# Altium PCB P-MT3620RDB-1-0.PcbDoc (part 1 of 4)
Units mm, origin at the board's own origin, x right, y up, seen from the top; angles counter-clockwise.
Board outline 50 x 85 mm, 4 copper layers (Component Side, Ground Plane, Power Plane, Solder Side), stack 1.63 mm thick; 246 components, 200 nets, 869 pads, 812 vias.
Unrouted connection lines stored in the file: 1.
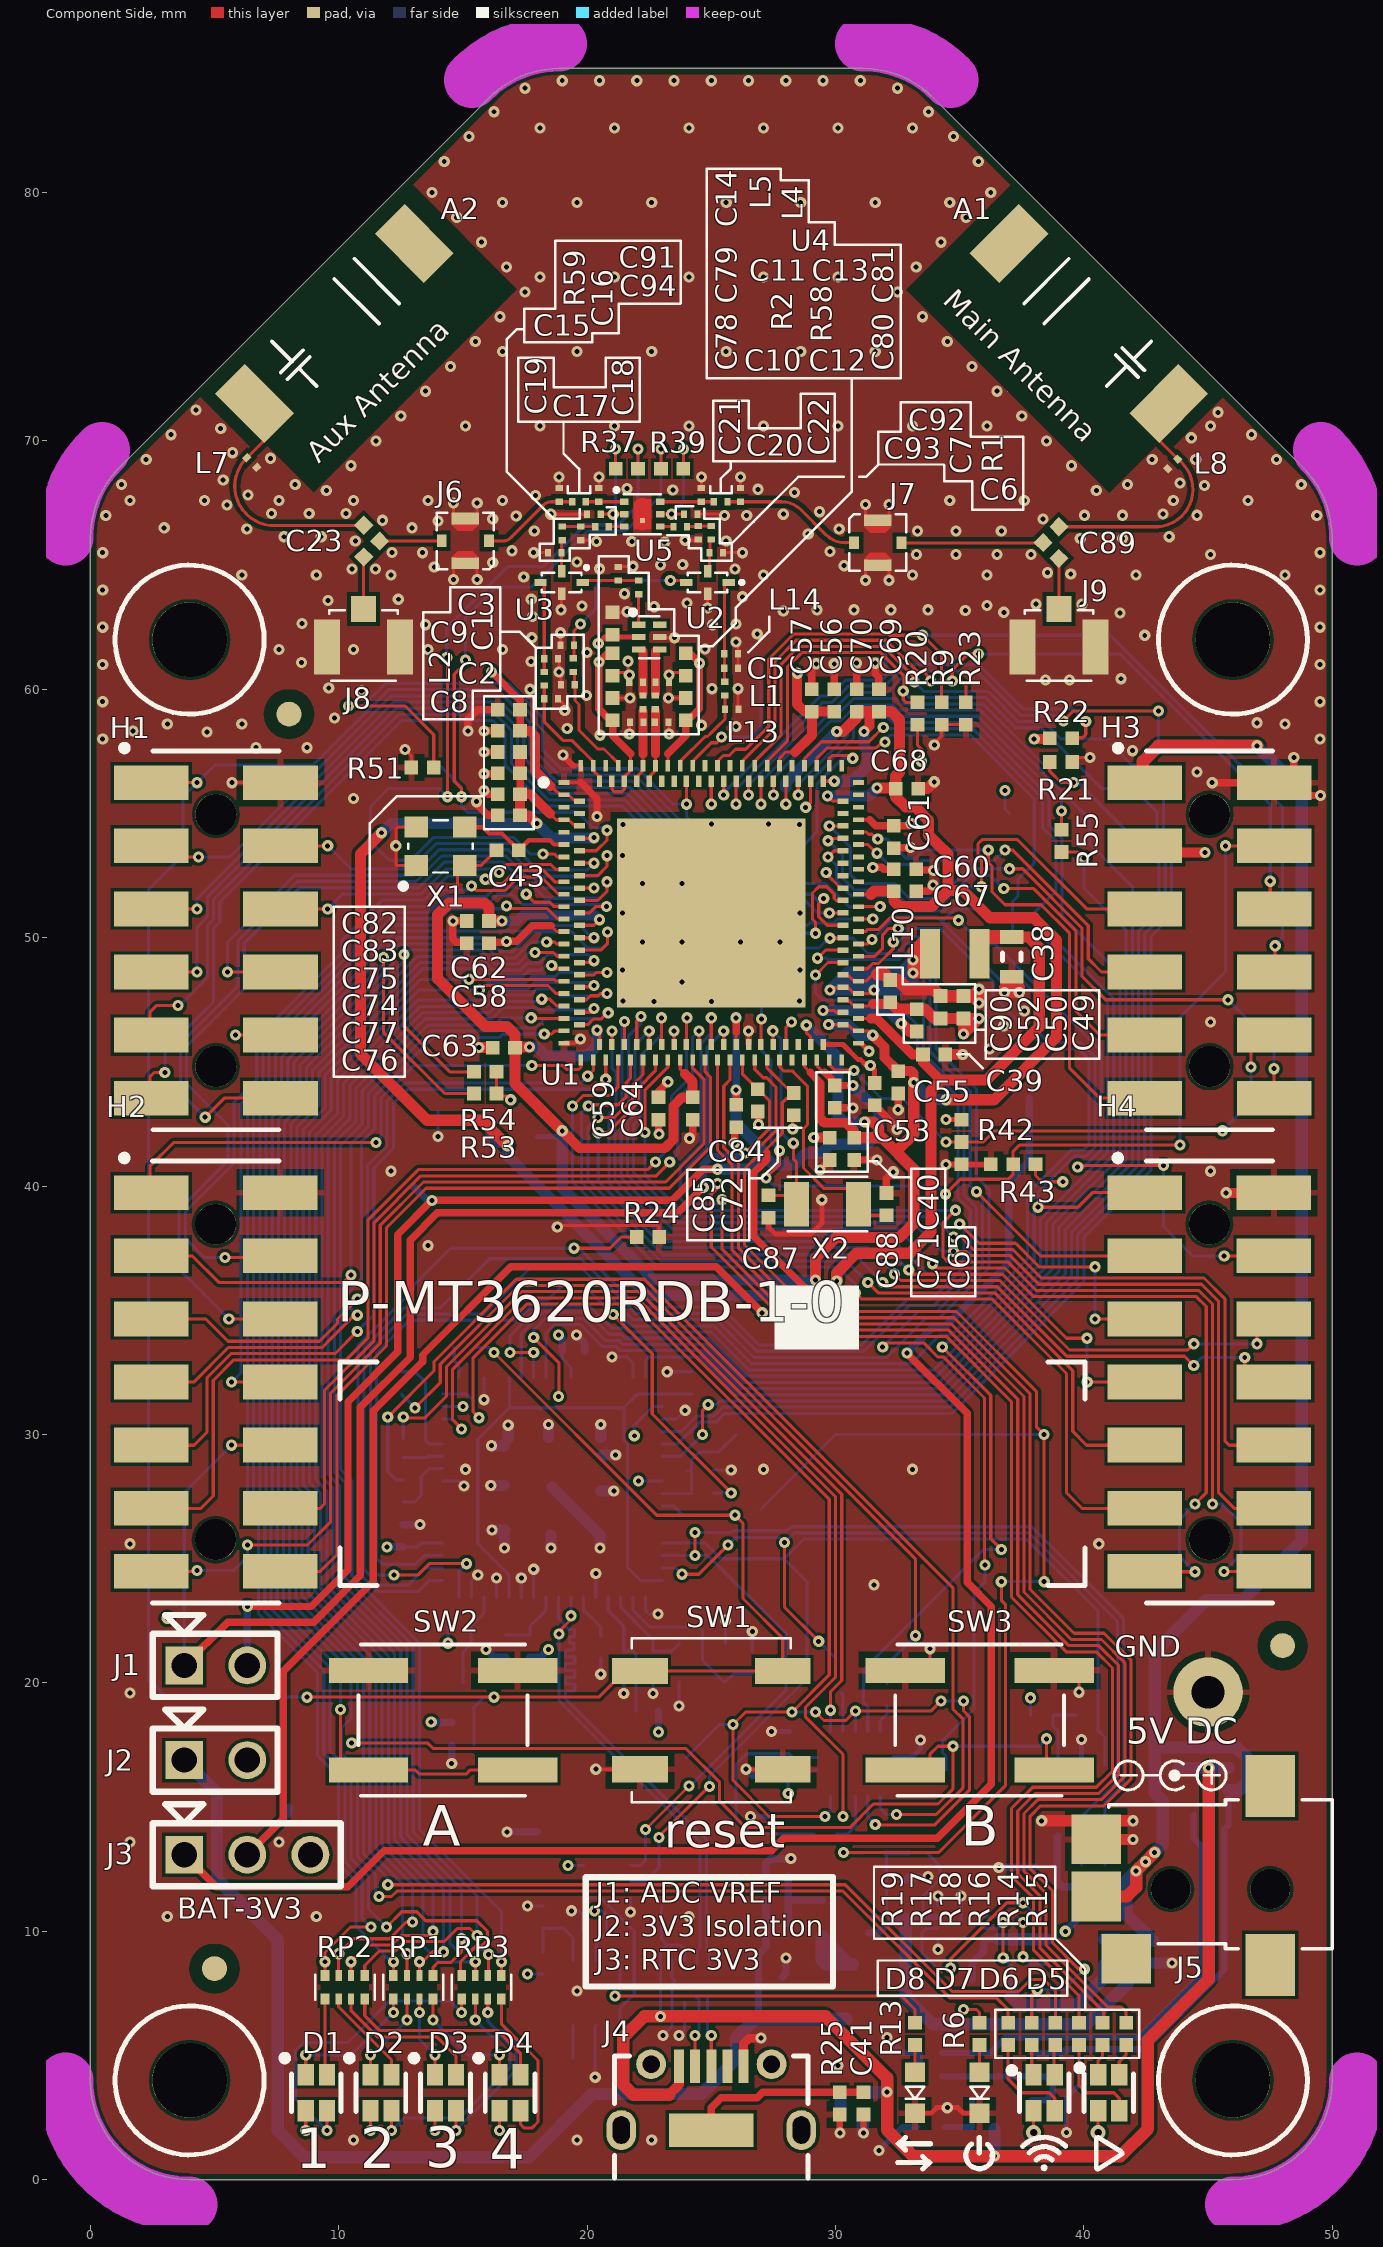
[diagram p0: Component Side view]
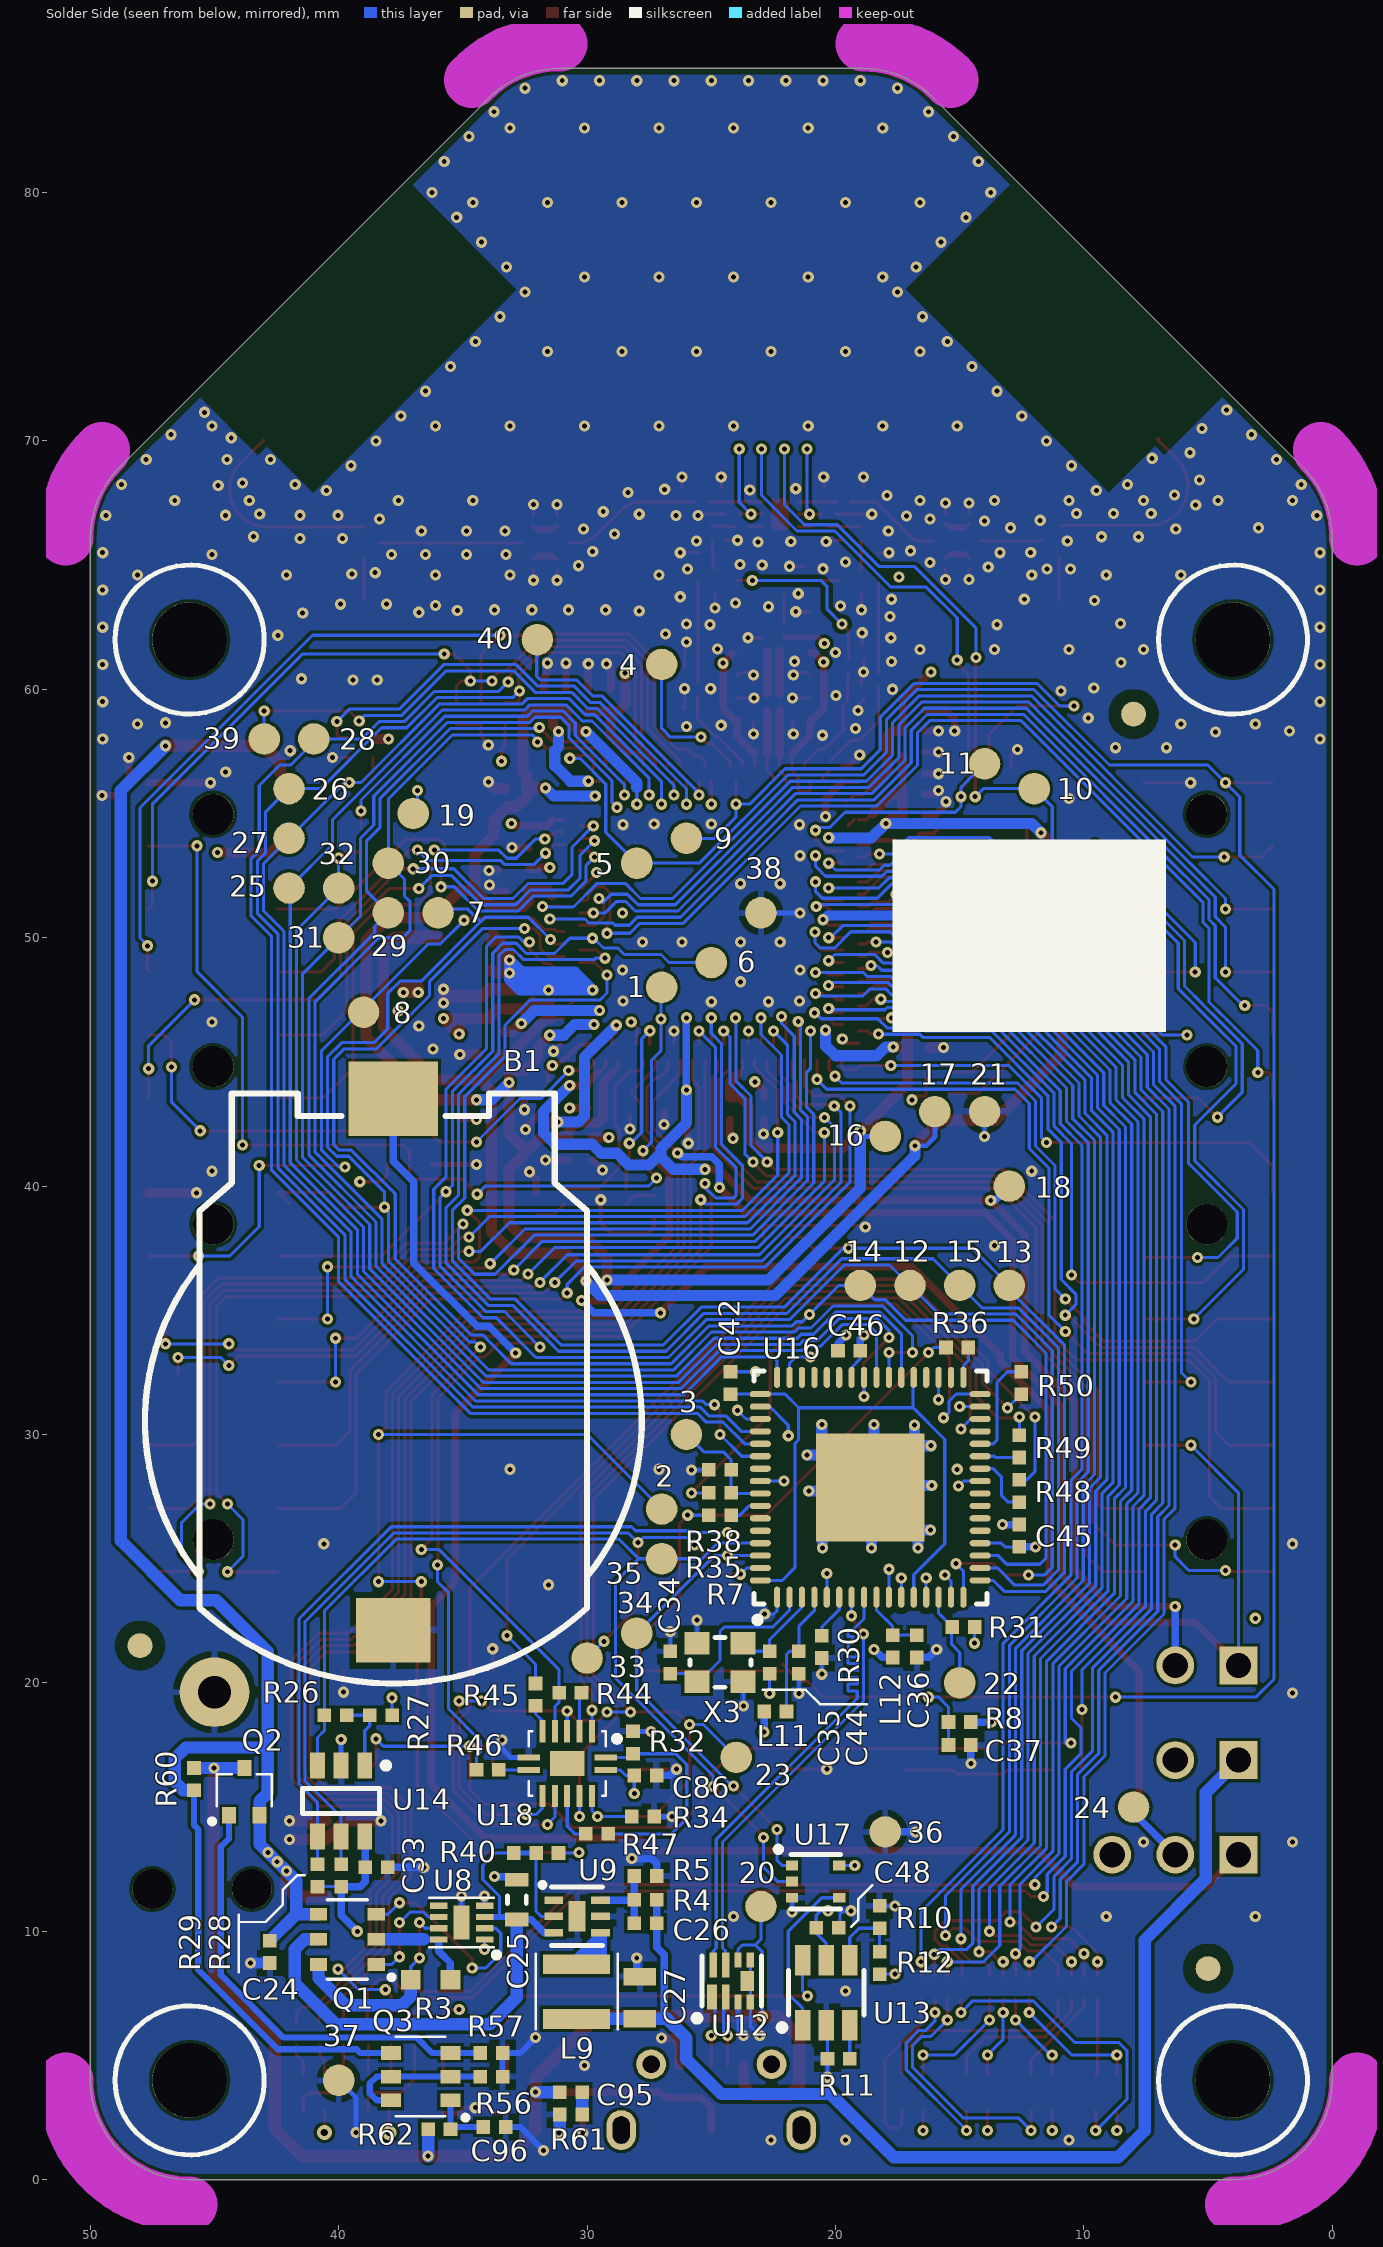
[diagram p1: Solder Side view, seen from below]
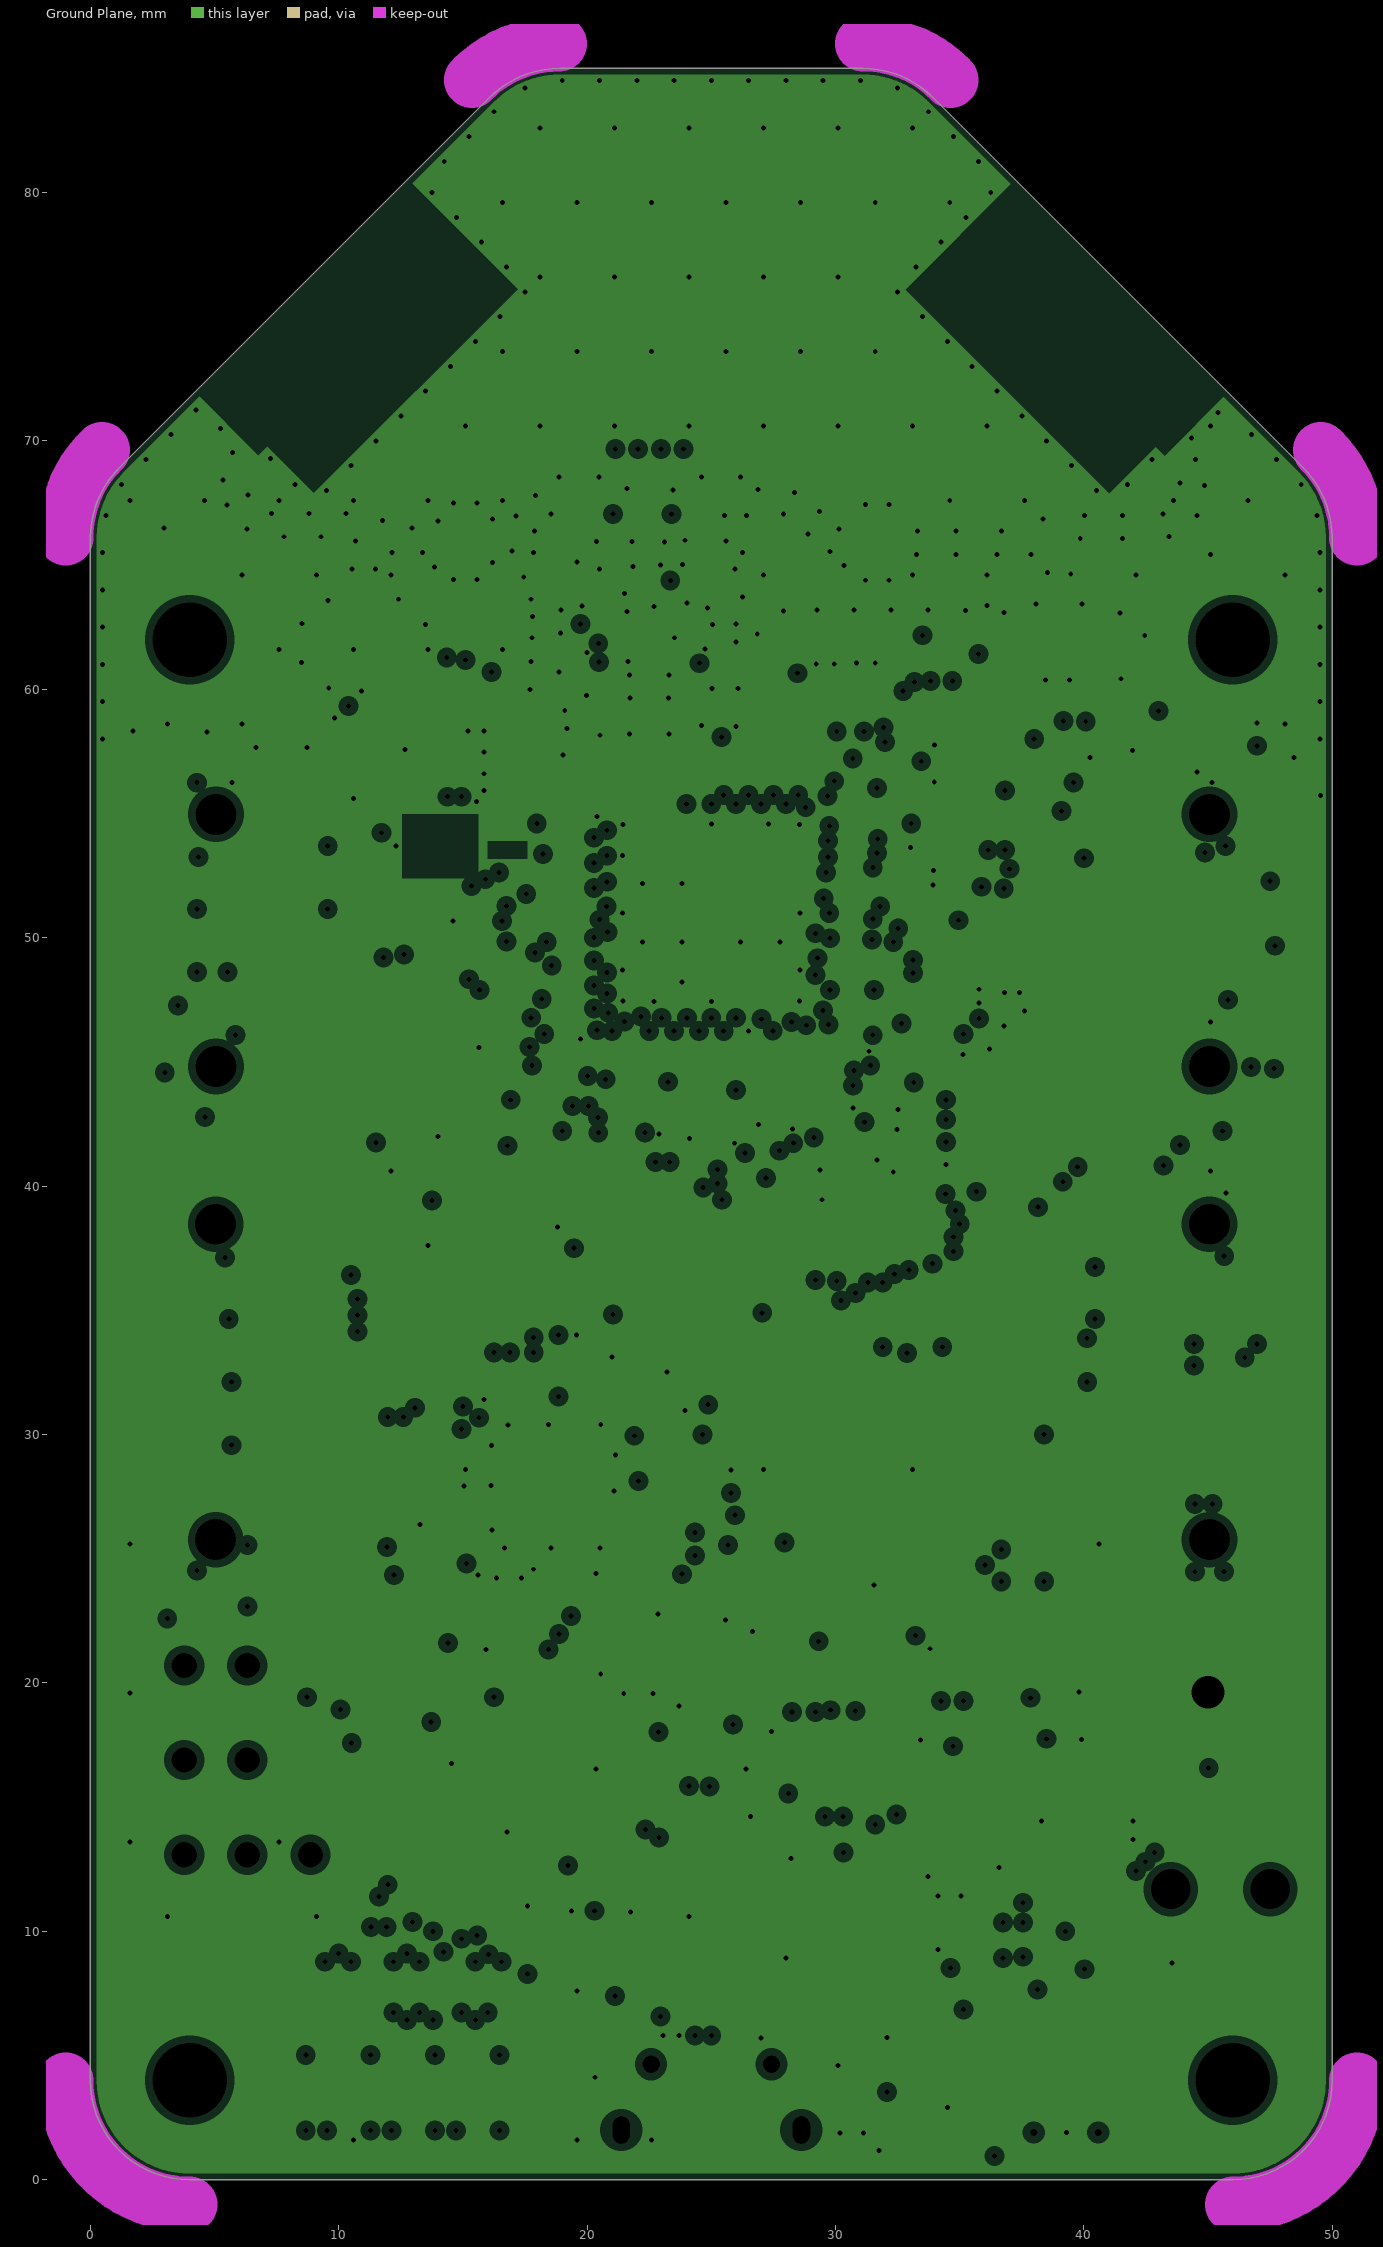
[diagram p2: Ground Plane, clearances drawn from the general rule]
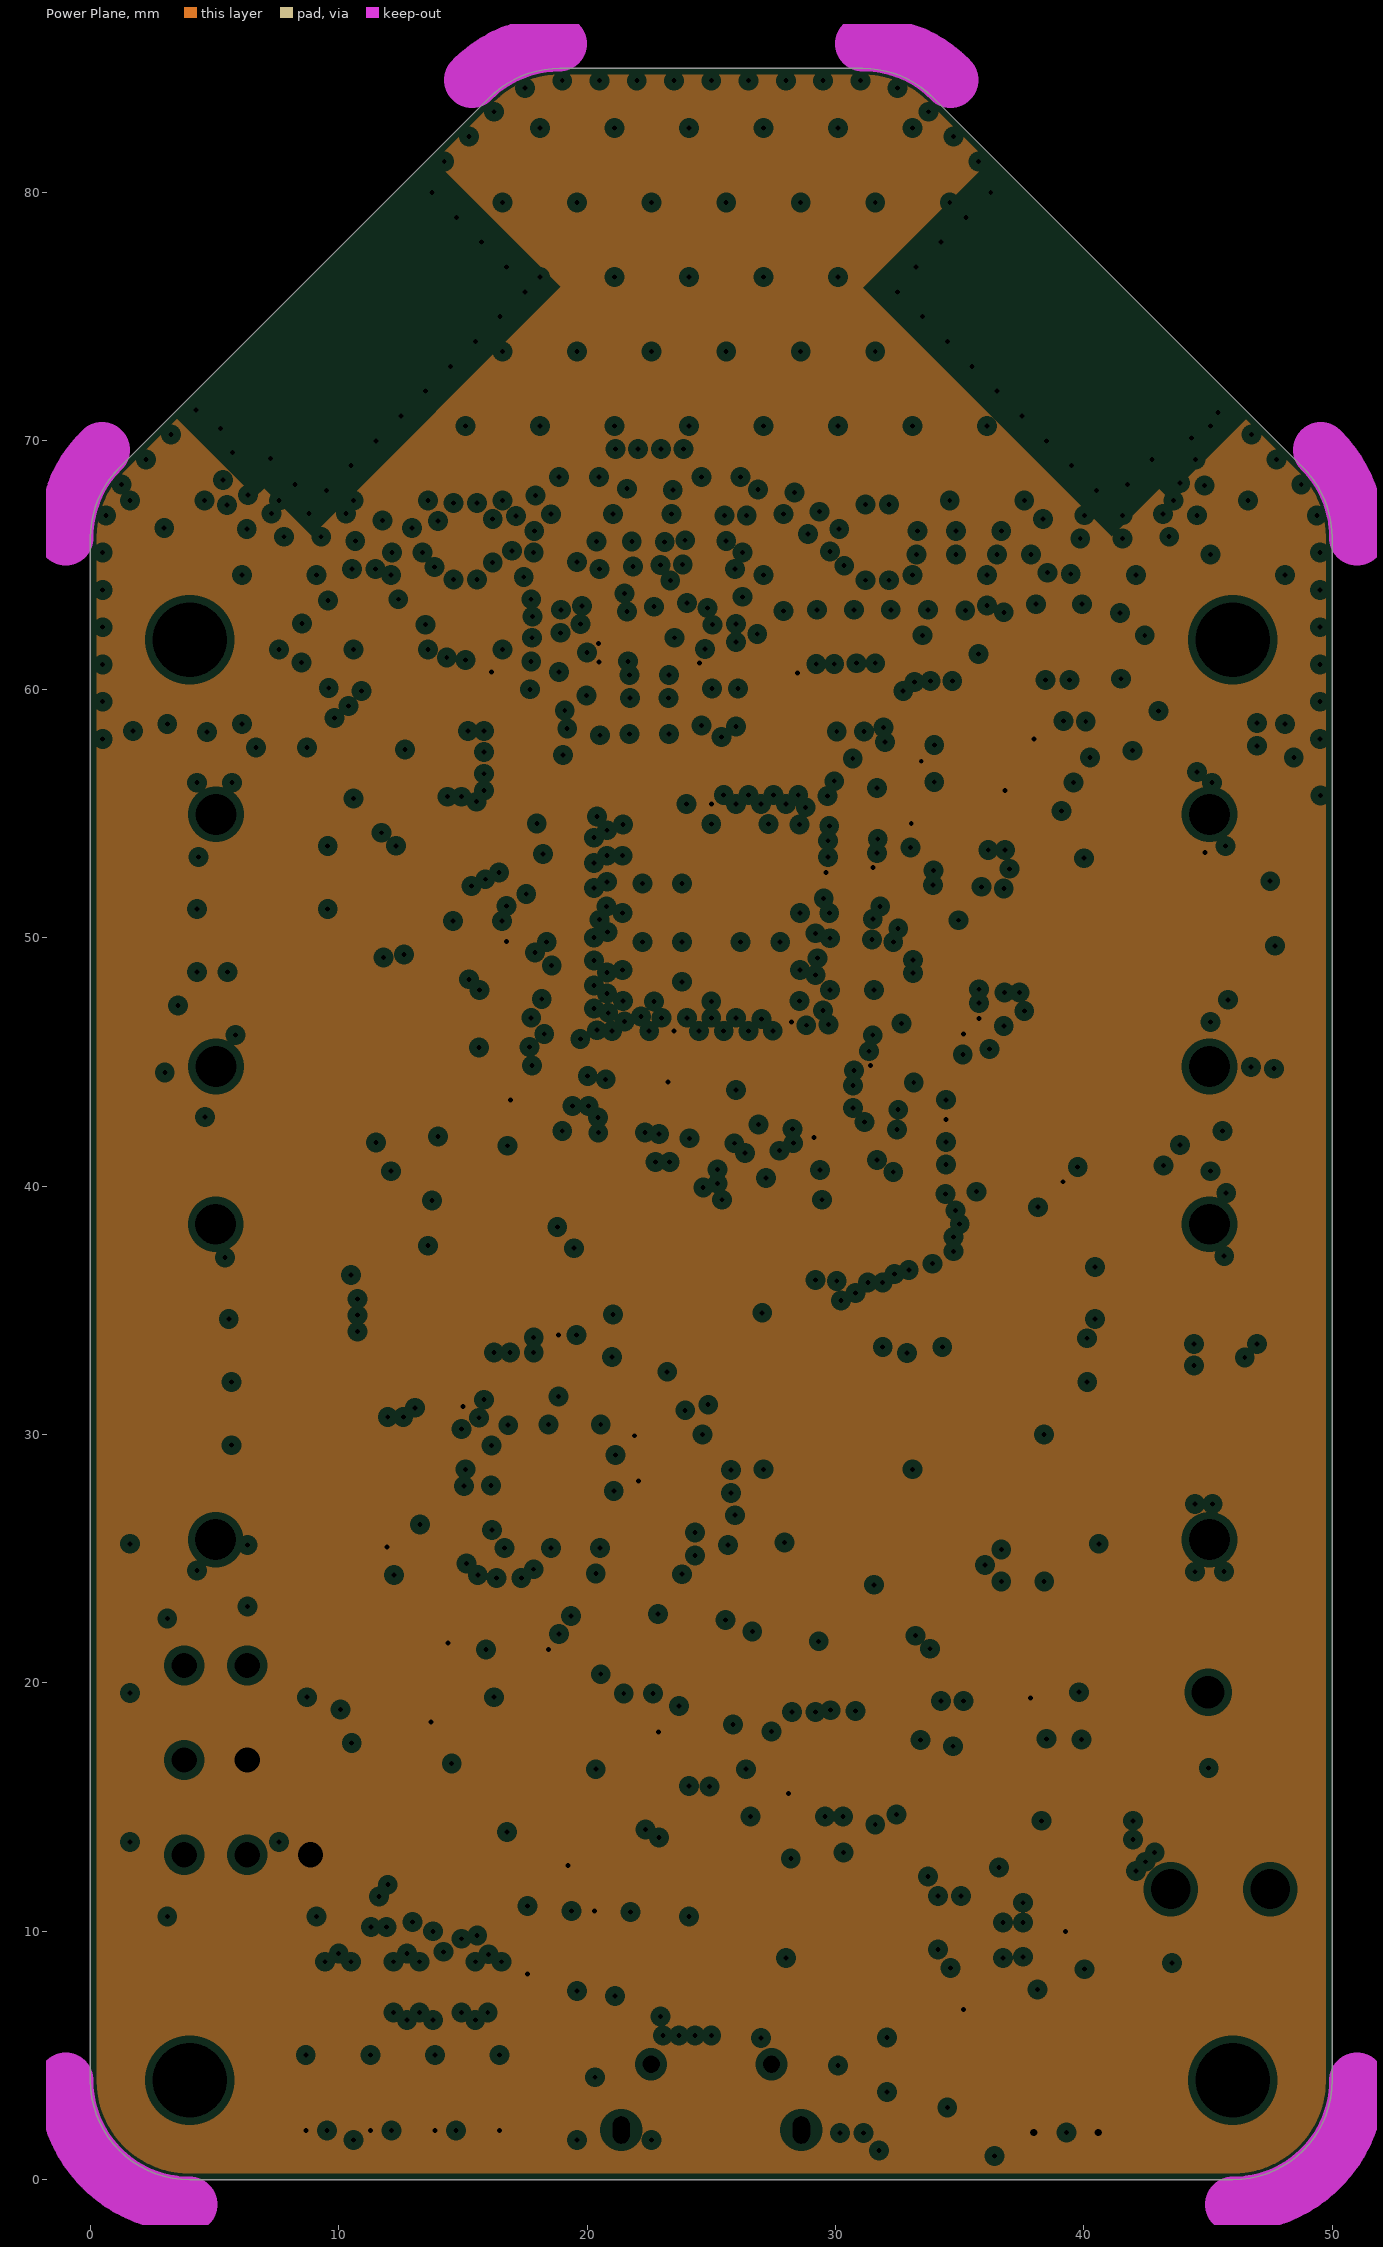
[diagram p3: Power Plane, clearances drawn from the general rule]

## Layer stack, top to bottom
Top Solder: solder mask 0.0254, Solder Resist, Dk 3.5
Component Side: signal copper 0.07
Dielectric 1: prepreg 0.11, FR4, Dk 4.1
Ground Plane: plane copper 0.035, net GND
Dielectric 3: core 1.2, FR4, Dk 4.1
Power Plane: plane copper 0.035, net 3V3
Dielectric 4: prepreg 0.11, FR4, Dk 4.1
Solder Side: signal copper 0.07
Bottom Solder: solder mask 0.0254, Solder Resist, Dk 3.5

## Board outline
0,4 0,66.097 0.003,66.097 cw(c4.003,66.097) 1.175,68.925 16.075,83.825 cw(c18.903,80.997) 18.903,84.997 18.903,85 31.097,85 31.097,84.997 cw(c31.097,80.997) 33.925,83.825 48.825,68.925 cw(c45.997,66.097) 49.997,66.097 50,66.097 50,4 cw(c46,4) 46,0 4,0 cw(c4,4)

## Design rules (kind name [scope] priority, off if disabled: settings)
Clearance Clearance_RF [InNetClass('RF') vs InNet('GND')] p1: gap=0.17 ignorepadtopadclearanceinfootprint=FALSE
Clearance Clearance_RFD [InNetClass('RFD') vs InNet('GND')] p2: gap=0.127 ignorepadtopadclearanceinfootprint=FALSE
Clearance Clearance_Fiducials [(IsPad) AND (Name = 'Free-1') vs InNet('GND')] p3: gap=0.5 ignorepadtopadclearanceinfootprint=FALSE
Clearance [All] p4: gap=0.125 ignorepadtopadclearanceinfootprint=FALSE
ComponentClearance [All] p1: gap=0.125 collisioncheckmode=3 verticalgap=0.254 showdistances=FALSE
DiffPairsRouting [All] p1: maxlimit=0.3 minlimit=0.125 mostfreqgap=0.125 toplayer_minwidth=0.125 toplayer_maxwidth=0.3 toplayer_prefwidth=0.125 bottomlayer_minwidth=0.125 bottomlayer_maxwidth=0.3 bottomlayer_prefwidth=0.125 maxuncoupledlength=12.7
HoleSize [All] p1: absolutevalues=TRUE maxlimit=3 minlimit=0.2 maxpercent=80.000 minpercent=20.000
MinimumSolderMaskSliver [All] p1: minsoldermaskwidth=0.01
PlaneClearance [All] p1: clearance=0.3
PlaneConnect PlaneConnect_IsVia [IsVia] p1: planeconnectstyle=Direct reliefexpansion=0.508 reliefentries=4 reliefconductorwidth=0.254 reliefairgap=0.254
PlaneConnect [All] p2: planeconnectstyle=Relief reliefexpansion=0.508 reliefentries=4 reliefconductorwidth=0.254 reliefairgap=0.254
PolygonConnect PolygonConnect_IsVia [IsVia] p1: connectstyle=Direct reliefconductorwidth=0.254 reliefentries=4 polygonreliefangle="90 Angle" airgapwidth=0.254
PolygonConnect PolygonConnect_RF [HasCompParameter('NoThermalRelief')] p2: connectstyle=Direct reliefconductorwidth=0.254 reliefentries=4 polygonreliefangle="90 Angle" airgapwidth=0.254
PolygonConnect [All] p3: connectstyle=Relief reliefconductorwidth=0.254 reliefentries=4 polygonreliefangle="90 Angle" airgapwidth=0.254
RoutingCorners [All] p1: cornerstyle=45-Degree minsetback=1 maxsetback=1
RoutingVias [All] p1: holewidth=0.2 width=0.45 viastyle="Through Hole" minholewidth=0.2 minwidth=0.45 maxholewidth=0.2 maxwidth=0.45
SilkToSilkClearance [All] p1: silktosilkclearance=0.05
SilkToSolderMaskClearance [IsPad] p1: minsilkscreentomaskgap=0.1 clearancetoexposedcopper=TRUE
SolderMaskExpansion [All] p1: expansion=0.102
Width [All] p1: maxlimit=0.8 minlimit=0.125 preferedwidth=0.125
21 further rules are at their usual default settings.

## Classes and differential pairs
component class P-MT3620RDB-1-0_PIO: C43 C87 C88 R9 R20 R21 R22 R23 R24 R42 R43 R51 R55 X1 X2
net class RFD: NetC10_1 NetC11_1 NetC12_2 NetC13_2
net class USB: USB_F_N USB_F_P USB_N USB_P
net class RF: NetA1_1 NetA2_1 NetC1_1 NetC1_2 NetC5_2 NetC6_2 NetC7_2 NetC8_2 NetC9_2 NetC15_2 NetC16_2 NetC17_1 NetC17_2 NetC20_1 NetC20_2 NetC23_1 NetC23_3 NetC89_1 NetC89_2 NetC93_1 NetC94_1 NetL1_1 NetL4_1 NetL4_2
component class P-MT3620RDB-1-0_WiFi: A1 A2 C1 C2 C3 C4 C5 C6 C7 C8 C9 C10 C11 C12 C13 C14 C15 C16 C17 C18 C19 C20 C21 C22 C23 C89 C91 C92 C93 C94 J6 J7 J8 J9 L1 L2 L3 L4 L5 L6 L7 L8 L13 L14 R1 R2 R37 R39 R58 R59 U1 U2 U3 U4 U5 U6
component class P-MT3620RDB-1-0_PMU: C38 C39 C40 C49 C50 C52 C53 C55 C56 C57 C58 C59 C60 C61 C62 C63 C64 C65 C67 C68 C69 C70 C71 C72 C74 C75 C76 C77 C78 C79 C80 C81 C82 C83 C84 C85 C90 J1 L10
component class P-MT3620RDB-1-0_Dev: 1 2 3 4 5 6 7 8 9 10 11 12 13 14 15 16 17 18 19 20 21 22 23 24 25 26 27 28 29 30 31 32 33 34 35 36 37 38 39 40 B1 C24 C25 C26 C27 C37 C95 C96 D1 D2 D3 D4 D5 D6 D7 GND H1 H2 H3 H4 J2 J3 J5 L9 Q1 Q2 Q3 R3 R4 R5 R6 R8 R14 R15 R16 R17 R18 R19 R40 R53 R54 R56 R57 R60 R61 R62 RP1 RP2 RP3 SW1 SW2 SW3 U8 U9
component class P-MT3620RDB-1-0_FTDI: C33 C34 C35 C36 C41 C42 C44 C45 C46 C48 C86 D8 J4 L11 L12 R7 R10 R11 R12 R13 R25 R26 R27 R28 R29 R30 R31 R32 R34 R35 R36 R38 R44 R45 R46 R47 R48 R49 R50 U12 U13 U14 U16 U17 U18 X3
differential pair USB: +USB_P -USB_N
differential pair USB_F: +USB_F_P -USB_F_N

## Components (designator, comment, footprint, x,y, rotation, side; value= is the part's Value field where it differs from the comment)
1 "TestPoint" Pad1.27mm#1 27,48 r90 bottom
2 "TestPoint" Pad1.27mm#1 27,27 r90 bottom
3 "TestPoint" Pad1.27mm#1 26,30 r90 bottom
4 "TestPoint" Pad1.27mm#1 27,61 r90 bottom
5 "TestPoint" Pad1.27mm#1 28,53 r90 bottom
6 "TestPoint" Pad1.27mm#1 25,49 r90 bottom
7 "TestPoint" Pad1.27mm#1 36,51 r90 bottom
8 "TestPoint" Pad1.27mm#1 39,47 r90 bottom
9 "TestPoint" Pad1.27mm#1 26,54 r90 bottom
10 "TestPoint" Pad1.27mm#1 12,56 r180 bottom
11 "TestPoint" Pad1.27mm#1 14,57 r180 bottom
12 "TestPoint" Pad1.27mm#1 17,36 r180 bottom
13 "TestPoint" Pad1.27mm#1 13,36 r180 bottom
14 "TestPoint" Pad1.27mm#1 19,36 r180 bottom
15 "TestPoint" Pad1.27mm#1 15,36 r180 bottom
16 "TestPoint" Pad1.27mm#1 18,42 r180 bottom
17 "TestPoint" Pad1.27mm#1 16,43 r180 bottom
18 "TestPoint" Pad1.27mm#1 13,40 r180 bottom
19 "TestPoint" Pad1.27mm#1 37,55 r180 bottom
20 "TestPoint" Pad1.27mm#1 23,11 r180 bottom
21 "TestPoint" Pad1.27mm#1 14,43 r180 bottom
22 "TestPoint" Pad1.27mm#1 15,20 r180 bottom
23 "TestPoint" Pad1.27mm#1 24,17 r180 bottom
24 "TestPoint" Pad1.27mm#1 8,15 r180 bottom
25 "TestPoint" Pad1.27mm#1 42,52 r180 bottom
26 "TestPoint" Pad1.27mm#1 42,56 r180 bottom
27 "TestPoint" Pad1.27mm#1 42,54 r180 bottom
28 "TestPoint" Pad1.27mm#1 41,58 r180 bottom
29 "TestPoint" Pad1.27mm#1 38,51 r180 bottom
30 "TestPoint" Pad1.27mm#1 38,53 r180 bottom
31 "TestPoint" Pad1.27mm#1 40,50 r180 bottom
32 "TestPoint" Pad1.27mm#1 40,52 r180 bottom
33 "TestPoint" Pad1.27mm#1 30,21 r180 bottom
34 "TestPoint" Pad1.27mm#1 28,22 r180 bottom
35 "TestPoint" Pad1.27mm#1 27,25 r180 bottom
36 "TestPoint" Pad1.27mm#1 18,14 r180 bottom
37 "TestPoint" Pad1.27mm#1 40,4 r180 bottom
38 "TestPoint" Pad1.27mm#1 23,51 r180 bottom
39 "TestPoint" Pad1.27mm#2 43,58 r0 top
40 "TestPoint" Pad1.27mm#2 32,62 r0 top
A1 "W3006" W3006 40.2,74.725 r315 top locked
A2 "W3006" W3006 9.825,74.725 r225 top
B1 "HARWIN-S8421-45R" HARWIN-S8421-45R 37.8,43.525 r0 bottom locked
C1 "8.2pF" "TDK 2010" 19.45,60.975 r90 top
C2 "1.2pF" "TDK 2010" 19.225,60.175 r0 top
C3 "1.2pF" "TDK 2010" 19.2,61.775 r0 top
C5 "3.3pF" "TDK 2010" 25.8,60.85 r180 top
C6 "1.2pF" "TDK 2010" 25.2,65.5 r180 top
C7 "1.2pF" "TDK 2010" 24.475,66.3 r90 top
C8 "1.2pF" "TDK 2010" 18.55,59.625 r180 top
C9 "1.2pF" "TDK 2010" 18.55,61.225 r180 top
C10 "2.7pF" "TDK 2010" 22,58.675 r180 top
C11 "1.8pF" "TDK 2010" 21.975,60.275 r180 top
C12 "2.7pF" "TDK 2010" 23,58.675 r180 top
C13 "1.8pF" "TDK 2010" 23.025,60.275 r180 top
C14 "100pF" "CAPC1005-EIA0402 0.55MM MED" 21.025,62.65 r270 top
C15 "0.3pF" "TDK 2010" 18.7,65.5 r0 top
C16 "0.3pF" "TDK 2010" 19.75,66.275 r90 top
C17 "10pF" "TDK 2010" 19.675,67.55 r180 top
C18 "1.2pF" "TDK 2010" 20.475,67.825 r270 top
C19 "1.2pF" "TDK 2010" 18.875,67.825 r270 top
C20 "10pF" "TDK 2010" 25.375,67.55 r0 top
C21 "1.2pF" "TDK 2010" 24.6,67.825 r270 top
C22 "1.2pF" "TDK 2010" 26.175,67.825 r270 top
C23 "10pF" "CAPC1005-EIA0402 0.55MM MED - THREE WAY" 11.325,65.65 r225 top
C24 "4.7µF" "CAPC1005-EIA0402 0.55MM MED" 42.775,9.175 r90 bottom
C25 "10µF" CAPC1608-EIA0603-1MM-MED 32.825,11.275 r270 bottom
C26 "33pF" "CAPC1005-EIA0402 0.55MM MED" 27.65,10.325 r180 bottom
C27 "33uF" TDK_0805 27.875,7.325 r270 bottom
C33 "0.1µF" "CAPC1005-EIA0402 0.55MM MED" 38.475,12.575 r0 bottom
C34 "10pF" "CAPC1005-EIA0402 0.55MM MED" 26.65,20.825 r270 bottom